# Altium PCB 1datalogger.PcbDoc
Units mil, origin at the board's own origin, x right, y up, seen from the top; angles counter-clockwise.
Board outline 2135 x 1715 mil, 2 copper layers (Top Layer, Bottom Layer); 34 components, 31 nets, 164 pads, 25 vias.
Unrouted connection lines stored in the file: 20.
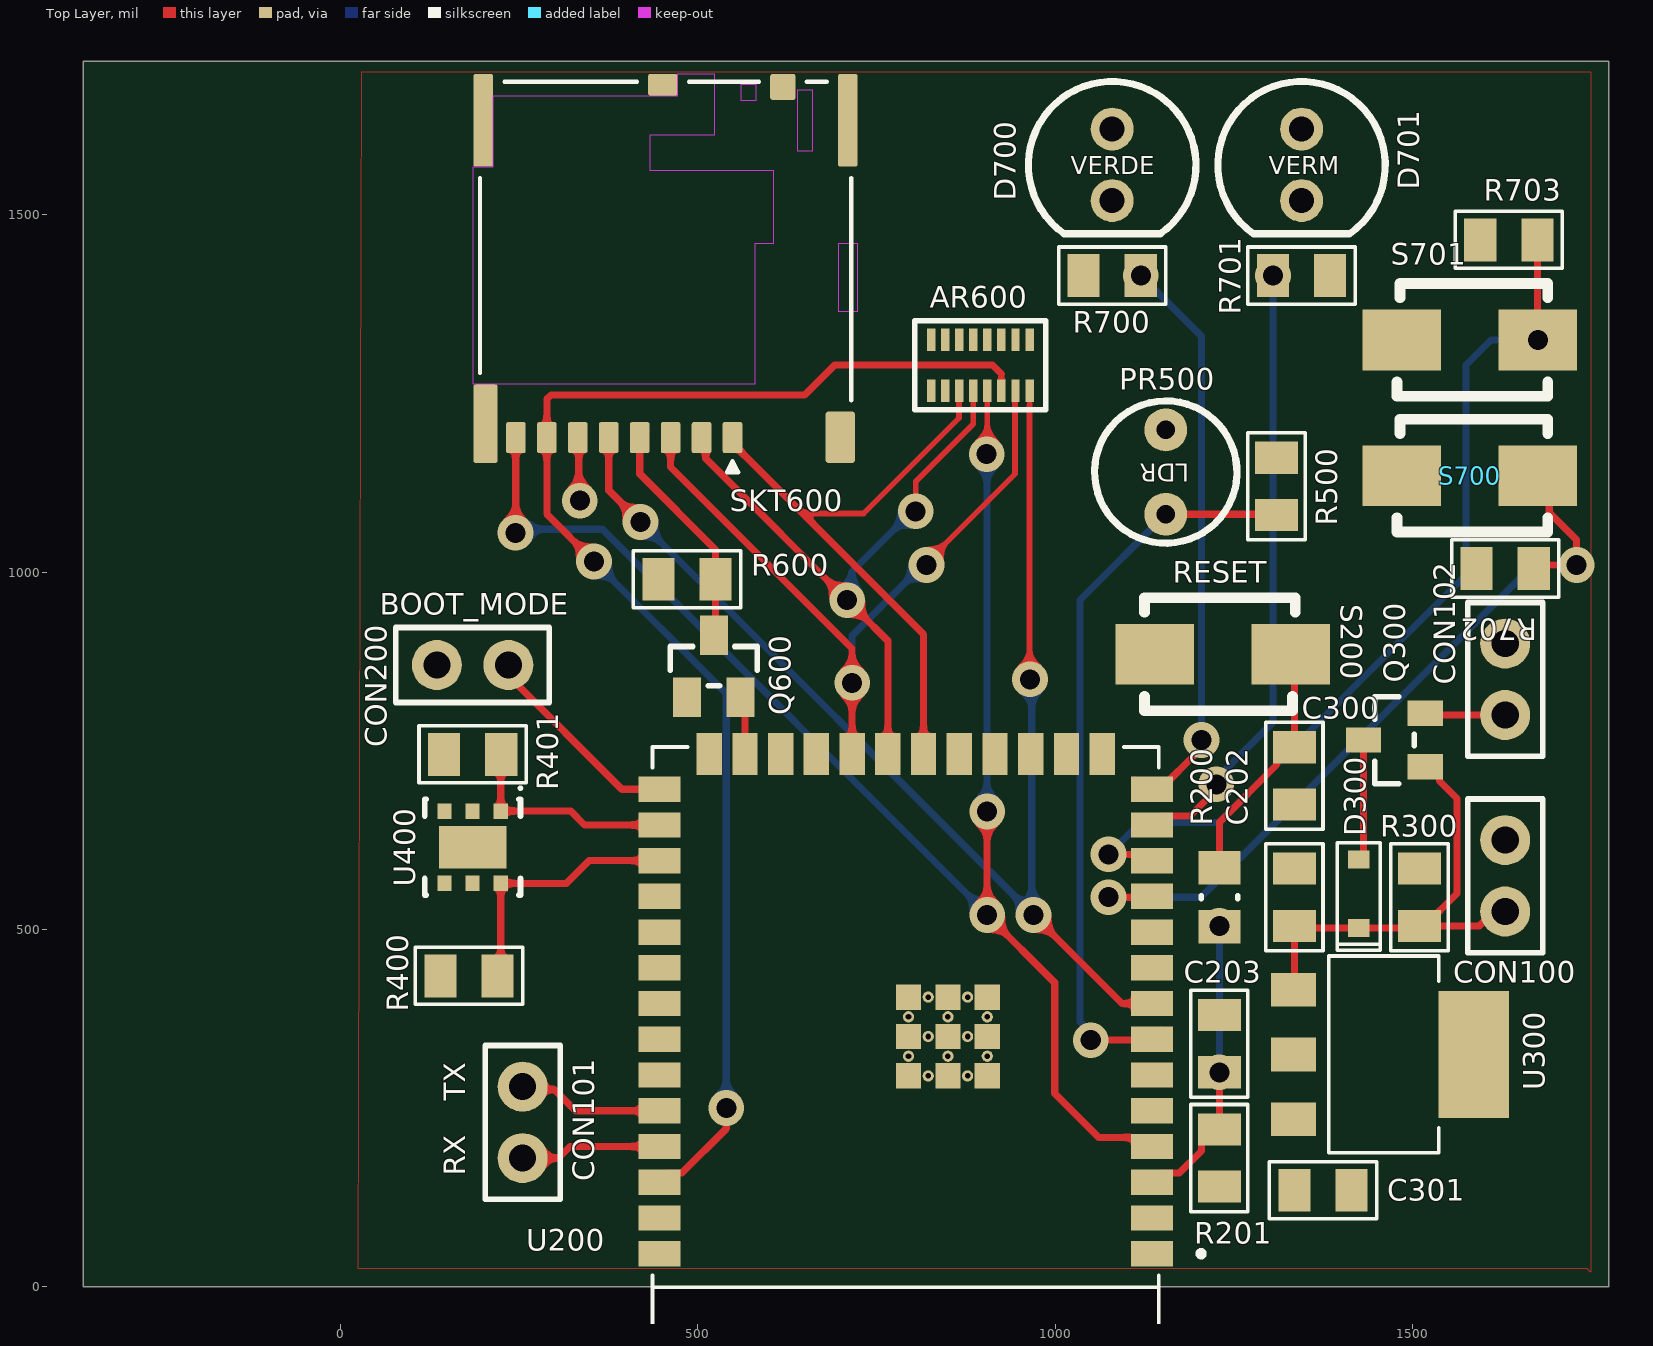
[diagram p0: Top Layer view]
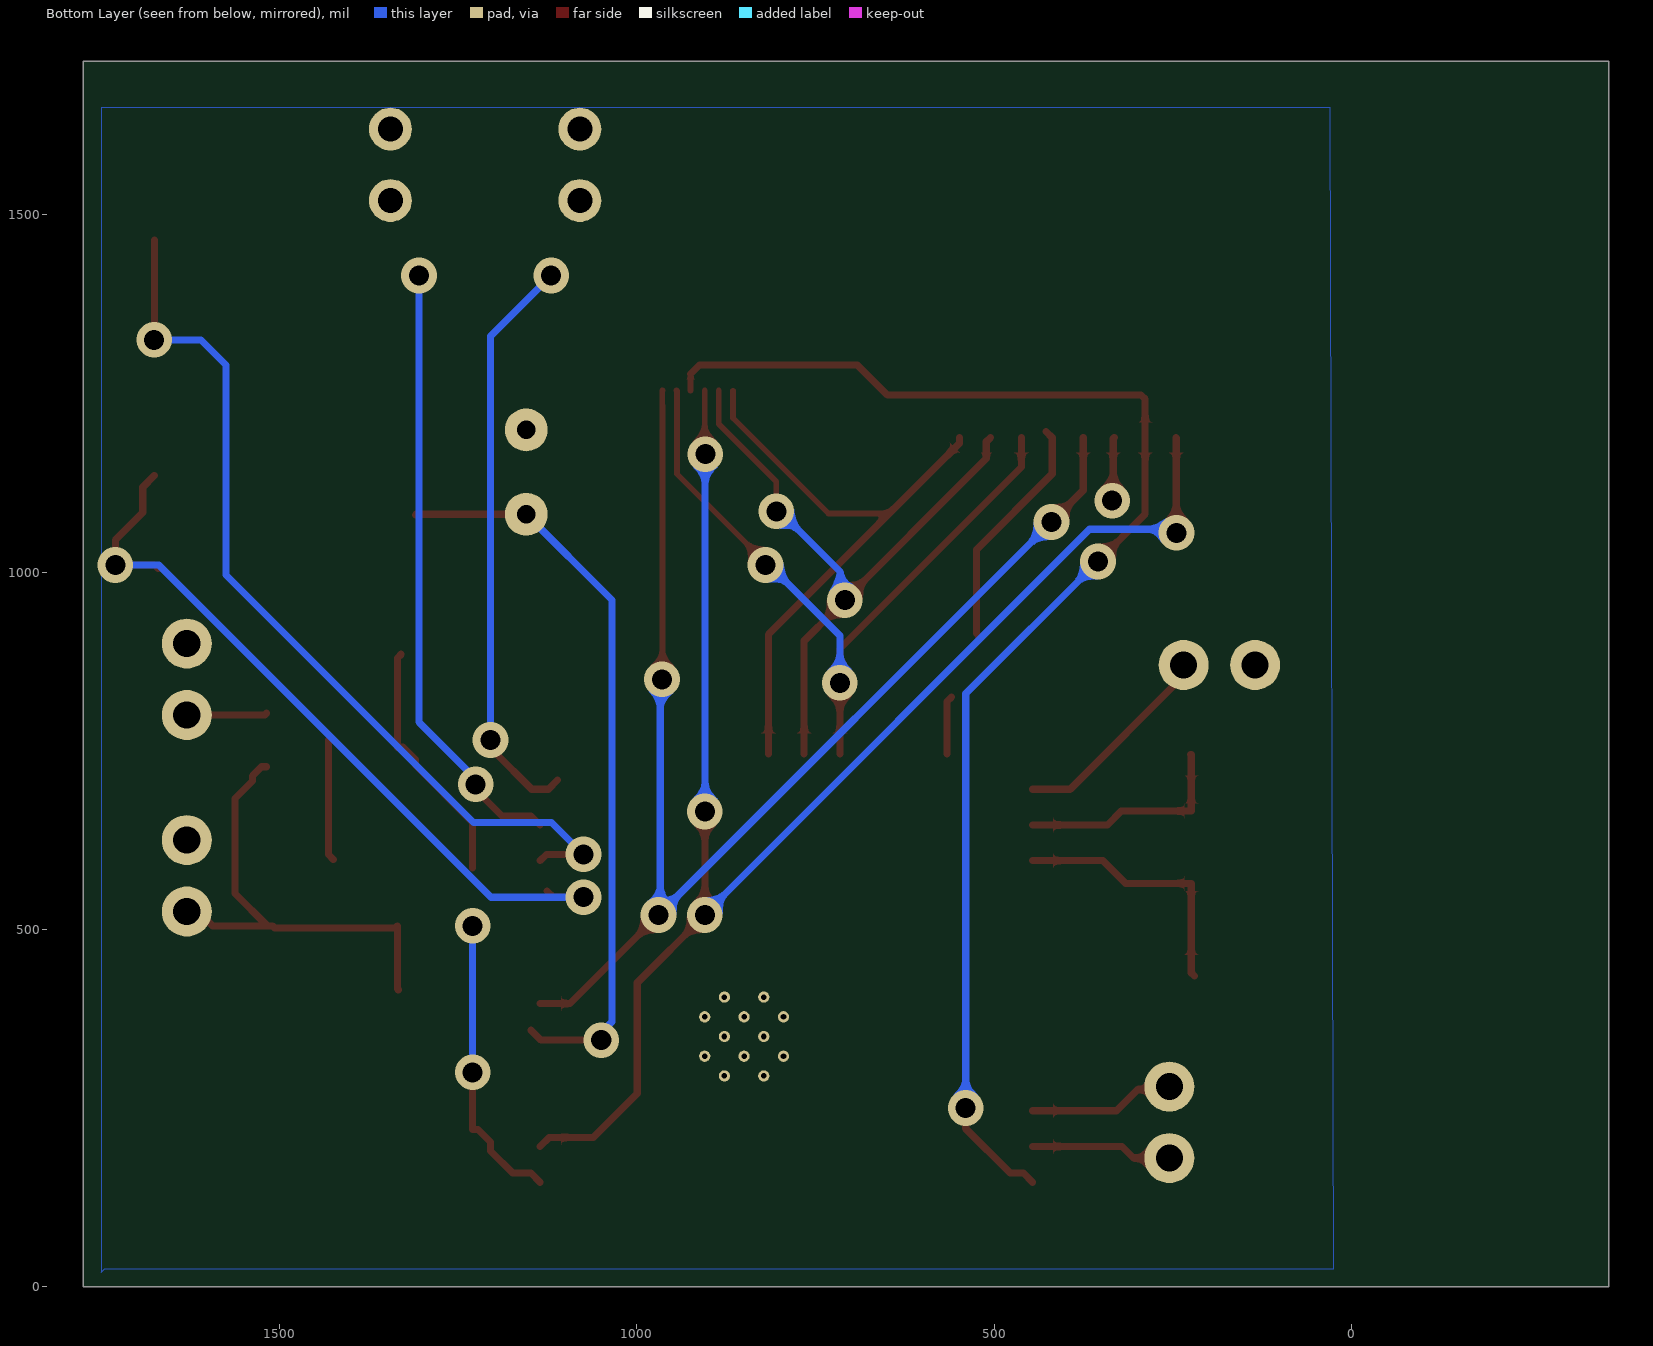
[diagram p1: Bottom Layer view, seen from below]
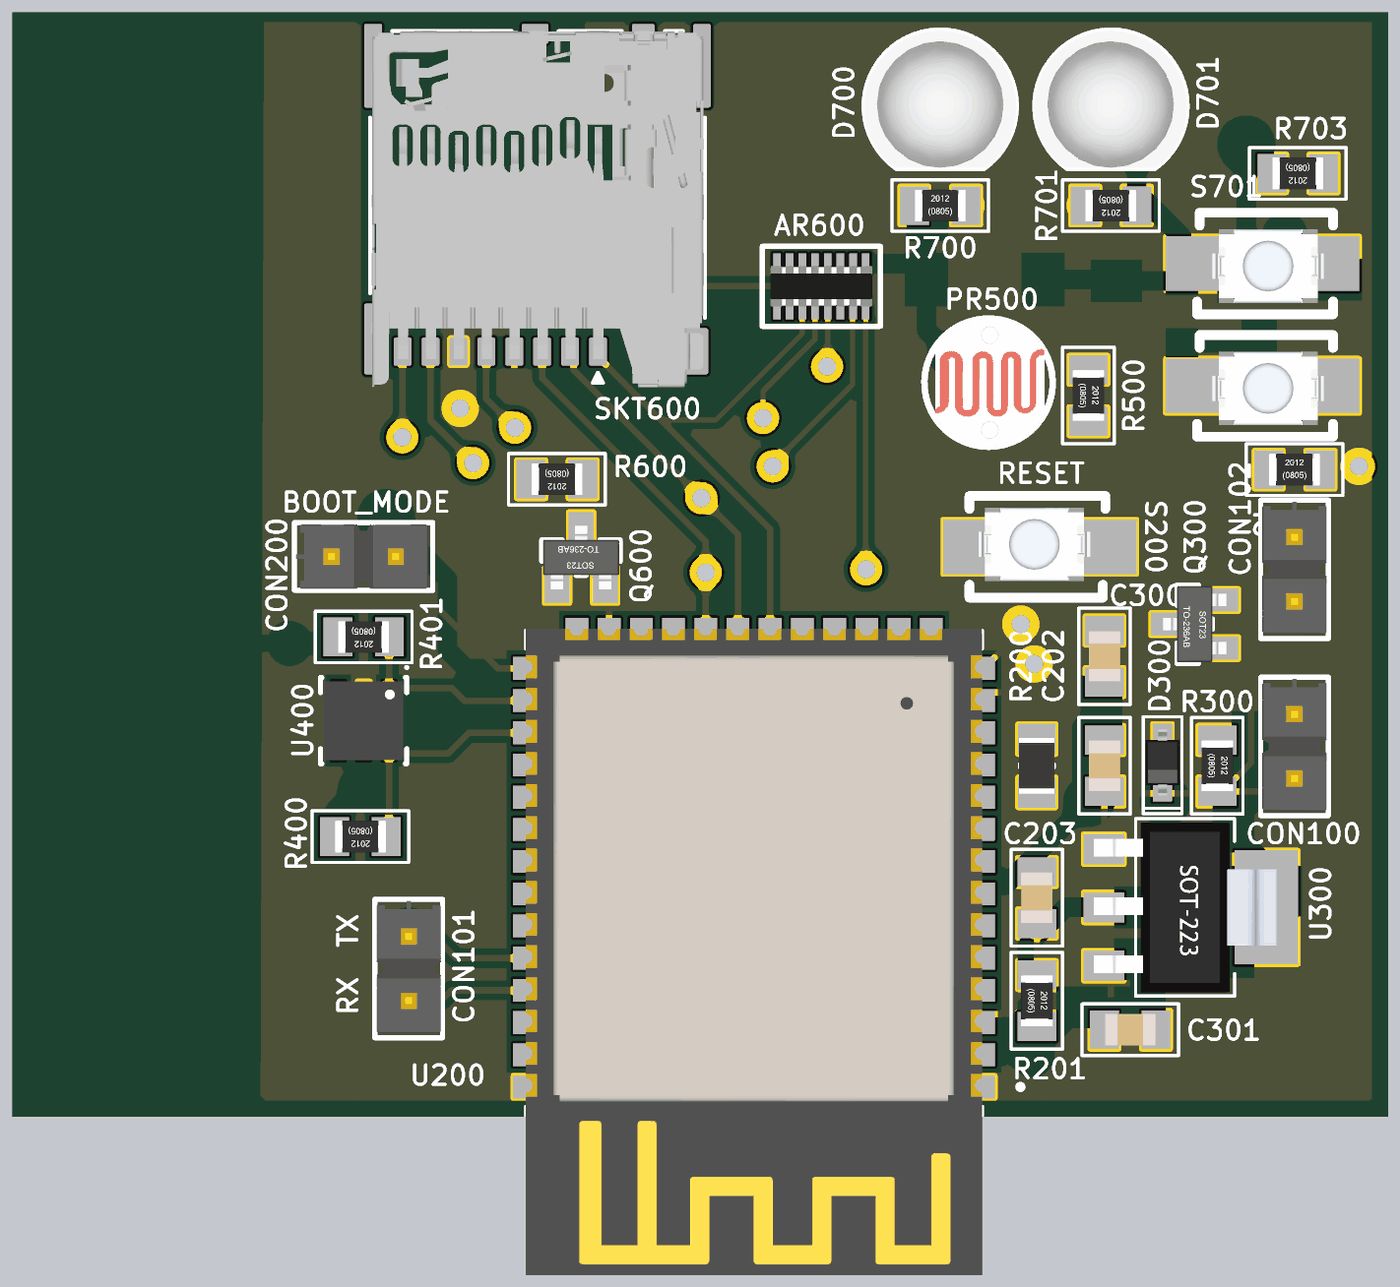
[diagram p2: 3D render of the assembled board from above, using the file's embedded part models]

## Layer stack, top to bottom
Top Solder: solder mask 0.4, Solder Resist, Dk 3.5
Top Layer: signal copper 1.4
Dielectric 1: dielectric 12.6, FR-4, Dk 4.8
Bottom Layer: signal copper 1.4
Bottom Solder: solder mask 0.4, Solder Resist, Dk 3.5

## Board outline
-360,0 -360,1715 1775,1715 1775,0

## Design rules (kind name [scope] priority, off if disabled: settings)
Clearance microsd_celarence [InComponent('SKT600')] p1: gap=5 ignorepadtopadclearanceinfootprint=TRUE except(0: SMDPad-Region THPad-Region)
Clearance array_celarence [InComponent('AR600')] p2: gap=5 ignorepadtopadclearanceinfootprint=TRUE
Clearance [All] p3: gap=10 ignorepadtopadclearanceinfootprint=TRUE
HoleSize [All] p1: absolutevalues=TRUE maxlimit=200 minlimit=1 maxpercent=80.000 minpercent=20.000
MinimumSolderMaskSliver microsd_minimum_solder [InComponent('SKT600')] p1: minsoldermaskwidth=2
MinimumSolderMaskSliver esp_minimum_solder [InComponent('U200')] p2: minsoldermaskwidth=2
MinimumSolderMaskSliver [All] p3: minsoldermaskwidth=2
PlaneClearance [All] p1: clearance=30
PolygonConnect [All] p1: connectstyle=Direct reliefconductorwidth=10 reliefentries=4 polygonreliefangle="90 Angle" airgapwidth=10
RoutingVias [All] p1: holewidth=28 width=50 viastyle="Through Hole" minholewidth=28 minwidth=50 maxholewidth=28 maxwidth=50
SilkToSilkClearance [All] p1: silktosilkclearance=1
SilkToSolderMaskClearance [IsPad] p1: minsilkscreentomaskgap=5 clearancetoexposedcopper=TRUE
SolderMaskExpansion [All] p1: expansion=4 istentingtop=FALSE
UnRoutedNet case_pilhas [not(InComponent('CON102') or InComponent('SW100'))] p1: checkbadconnections=TRUE
UnRoutedNet [All] p2:
Width [All] p1: maxlimit=20 minlimit=5 preferedwidth=10
24 further rules are at their usual default settings.

## Classes and differential pairs
component class Designator: D700 D701 R700 R701 R702 R703 S700 S701
component class temp_sensor: R400 R401 U400
component class micro_sd: AR600 Q600 R600 SKT600
component class ldr_sensor: PR500 R500
component class ESP32: C202 C203 C204 C205 CON200 R200 R201 S200 U200 X200
component class power_supply: C300 C301 D300 Q300 R300 U300
component class datalogger: CON100 CON101 CON102 SW100

## Components (designator, comment, footprint, x,y, rotation, side; value= is the part's Value field where it differs from the comment)
AR600 "10K" "Array 8Res 1606" 826.57,1254.13 r0 top
C202 "100nF 25V" CC2012-0805 1335,675 r90 top
C203 "100nF 25V" CC2012-0805 1230,380 r270 top
C300 "CAP CER 4.7UF 16V X7R 0805" CC2012-0805 1335,585 r270 top
C301 "CAP CER 4.7UF 16V X7R 0805" CC2012-0805 1415,135 r180 top
CON100 "PIN HEADER 2POS" FP-TSW-102-07-G-S-MFG 1630,575 r270 top
CON101 "PIN HEADER 2POS" FP-TSW-102-07-G-S-MFG 255,230 r270 top
CON102 "PIN HEADER 2POS" FP-TSW-102-07-G-S-MFG 1630,850 r270 top
CON200 "PIN HEADER 2POS" FP-TSW-102-07-G-S-MFG 185,870 r0 top
D300 "DIODE SCHOTTKY NSR0320MW2T1G 20V 1A SOD323 SMD" SOD-323 1425,550 r90 top
D700 "LED GRN DIFF 5MM ROUND T/H" LED-5mm-VERDE 1080,1620 r0 top
D701 "LED RED DIFF 5MM ROUND T/H" LED-5mm-VERMELHO 1345,1620 r0 top
PR500 "LDR GL5506(4-7K) SMD" "LDR 3X0.5" 1155,1140 r180 top
Q300 "IC MOSFET P_CHANNEL 500mA" SOT-23#1 1475,765 r90 top
Q600 "IC MOSFET N_CHANNEL 380mA" SOT-23#2 522.6,868.31 r0 top
R200 "Resistor 0R +/- 1% 0805 125 mW" RESC2013X50X35ML15T15 1230,545 r270 top value=0
R201 "RES 10K OHM 1% 1/8W 0805 SMD" CR2012-0805 1230,180 r270 top
R300 "10K 1/8W" CR2012-0805 1510,545 r270 top
R400 "RES 10K5 OHM 0.1% 1/8W 0805 SMD" CR2012-0805 180,435 r180 top
R401 "RES 10K5 OHM 0.1% 1/8W 0805 SMD" CR2012-0805 185,745 r180 top
R500 "RES 10K OHM 1% 1/8W 0805 SMD" CR2012-0805 1310,1120 r270 top
R600 "RES 100R 1/8W 1% 0805 SMD" CR2012-0805 485,990 r180 top
R700 "RES 220R OHM 5% 1/8W 0805 SMD" CR2012-0805 1080,1415 r0 top
R701 "RES 220R OHM 5% 1/8W 0805 SMD" CR2012-0805 1345,1415 r180 top
R702 "RES 1K OHM 1% 1/8W 0805 SMD" CR2012-0805 1630,1005 r0 top
R703 "RES 1K OHM 1% 1/8W 0805 SMD" CR2012-0805 1635,1465 r180 top
S200 "SWITCH TACTILE SPST-NO 0.05A 12V SMD" SWITCH_TACTILE_SMD_2PIN 1139.45,885 r0 top
S700 "SWITCH" SWITCH_TACTILE_SMD_2PIN 1675.55,1135 r180 top
S701 "SWITCH" SWITCH_TACTILE_SMD_2PIN 1675.55,1325 r180 top
SKT600 "5033981892" MOLX-5033981892_V 455,1435 r180 top
SW100 "4AAA_Battery" 4AAA_BATTERY_HOLDER 3915,4681.19 r90 top
U200 "IC ESP32 S3R2 WROOM-1 2MB" ESP32_S3_WROOM_1 795,377.68 r180 top
U300 "IC REG LDO 3V3 1A" SOT-223 1460,325 r270 top
U400 "IC HDC1080" PSON100P300X80_HS-7N 185,615 r270 top

## Footprints (in the part's own frame and the unit in brackets; to place one, negate y for a bottom-side part, rotate by r counter-clockwise, add the part's x,y. Pads: shape width x height; smd on the part's side, far side on the other; paste and mask are expansions set on the pad)
4AAA_BATTERY_HOLDER [mm]
  round 5 hole 3: 1(22.606,-5.842) 2(22.86,-12.954) ""(-0.127,-16.129) ""(0,28.702)
  body extent -185.32,-18.78 26.8,31.22, height 13.14
"Array 8Res 1606" [mm]
  rect 0.3x0.8 smd: 1(0,0) 2(0.5,0) 3(1,0) 4(1.5,0) 5(2,0) 6(2.5,0) 7(3,0) 8(3.5,0) 9(3.5,1.8) 10(3,1.8) 11(2.5,1.8) 12(2,1.8) 13(1.5,1.8) 14(1,1.8) 15(0.5,1.8) 16(0,1.8)
  silkscreen extent -0.58,-0.68 4.08,2.48, body extent -0.25,0.1 3.75,1.7, height 0.45
CC2012-0805 [mil] "Chip Capacitor"
  rect 45x60 smd: 1(0,0) 2(80,0)
  silkscreen extent -35,-40 115,40, body extent 1,-25 79,25, height 24
CR2012-0805 [mil] "Chip Capacitor"
  rect 45x60 smd: 1(-40,0) 2(40,0)
  silkscreen extent -75,-40 75,40, body extent -39,-25 39,25, height 18
ESP32_S3_WROOM_1 [mm] "Footprint for ESP32-S3-WROOM-1 module"
  rect 1.5x0.9 smd: 1(-8.65,8.42) 2(-8.65,7.15) 3(-8.65,5.88) 4(-8.65,4.61) 5(-8.65,3.34) 6(-8.65,2.07) 7(-8.65,0.8) 8(-8.65,-0.47) 9(-8.65,-1.74) 10(-8.65,-3.01) 11(-8.65,-4.28) 12(-8.65,-5.55) 13(-8.65,-6.82) 14(-8.65,-8.09) 27(8.85,-8.09) 28(8.85,-6.82) 29(8.85,-5.55) 30(8.85,-4.28) 31(8.85,-3.01) 32(8.85,-1.74) 33(8.85,-0.47) 34(8.85,0.8) 35(8.85,2.07) 36(8.85,3.34) 37(8.85,4.61) 38(8.85,5.88) 39(8.85,7.15) 40(8.85,8.42)
  rect 0.9x1.5 smd: 15(-6.885,-9.34) 16(-5.615,-9.34) 17(-4.345,-9.34) 18(-3.075,-9.34) 19(-1.805,-9.34) 20(-0.535,-9.34) 21(0.735,-9.34) 22(2.005,-9.34) 23(3.275,-9.34) 24(4.545,-9.34) 25(5.815,-9.34) 26(7.085,-9.34)
  rect 0.9x0.9 smd: 41[1...9](-2.8,2.1) 41[1...9](-2.8,-0.7) 41[1...9](-2.8,0.7) 41[1...9](-1.4,2.1) 41[1...9](-1.4,-0.7) 41[1...9](-1.4,0.7) 41[1...9](0,2.1) 41[1...9](0,0.7) 41[1...9](0,-0.7)
  round 0.4 hole 0.2 mask+0: 41[1...9](-2.8,0) 41[1...9](-2.8,1.4) 41[1...9](-2.1,2.1) 41[1...9](-2.1,-0.7) 41[1...9](-2.1,0.7) 41[1...9](-1.4,1.4) 41[1...9](-1.4,0) 41[1...9](-0.7,2.1) 41[1...9](-0.7,0.7) 41[1...9](-0.7,-0.7) 41[1...9](0,1.4) 41[1...9](0,0)
  silkscreen extent -10.5,-9.59 9.1,15.88, body extent -8.89,-9.65 9.11,15.85, height 3.1
FP-TSW-102-07-G-S-MFG [mil]
  round 70 hole 38 paste-39370.1 mask+0: 1(-50,0) 2(50,0)
  silkscreen extent -107,-53 107,53, body extent -111,-56 111,56, height 10
"LDR 3X0.5" [mil]
  round 60 hole 25.98: 1(0,-59.06) 2(0,59.06)
  silkscreen extent -100,-100 100,100, body extent -87,-100 83,100, height 358
LED-5mm-VERDE [mil]
  round 60 hole 35: A(0,0) K(0,-100)
  silkscreen extent -117,-147 117,67, body extent -118,-147 119,67, height 485
LED-5mm-VERMELHO [mil]
  round 60 hole 35: A(0,0) K(0,-100)
  silkscreen extent -117,-147 117,67, body extent -119,-147 118,67, height 485
MOLX-5033981892_V [mm] "CONN, 8-Leads, Body 14.05x13.2mm, Pitch 1.1mm"
  rrect20% 0.7x1.1 smd: 1(-2.38,6.27) 2(-1.28,6.27) 3(-0.18,6.27) 4(0.92,6.27) 5(2.02,6.27) 6(3.12,6.27) 7(4.22,6.27) 8(5.32,6.27)
  rrect20% 1.05x0.78 smd: 9(0.095,-6.27)
  rrect20% 0.9x0.93 smd: 10(-4.17,-6.195)
  rrect20% 0.86x2.8 smd: 11(6.4,5.77)
  rrect20% 0.7x3.3 smd: 12(6.48,-5.01)
  rrect25% 0.7x3.3 smd: 13(-6.48,-5.01)
  rrect20% 1.04x1.83 smd: 14(-6.21,6.255)
  Top Layer keep-out region: -6.83,-0.63 -6.13,-0.63 -6.13,1.77 -6.83,1.77
  Top Layer keep-out region: -5.235,-6.08 -4.685,-6.08 -4.685,-3.93 -5.235,-3.93
  Top Layer keep-out region: -3.22,-6.28 -2.67,-6.28 -2.67,-5.73 -3.22,-5.73
  Top Layer keep-out region: 6.83,4.37 6.83,-3.36 6.13,-3.36 6.13,-5.88 -0.43,-5.88 -0.43,-6.66 -1.73,-6.66 -1.73,-4.48 0.57,-4.48 0.57,-3.23 -3.82,-3.23 -3.82,-0.63 -3.17,-0.63 -3.17,4.37
  silkscreen extent -6.6,-6.38 6.6,7.5, body extent -6.55,-6.38 6.55,7.67, height 1.28
PSON100P300X80_HS-7N [mm] "PSON, 6-Leads, Body 3,00x3,00mm, Pitch 1,00mm, Thermal Pad 2,40x1,50mm, IPC Medium Density"
  rect 0.55x0.5 smd: 1(-1.285,1) 2(-1.285,0) 3(-1.285,-1) 4(1.285,-1) 5(1.285,0) 6(1.285,1)
  rect 1.5x2.4 smd: 7(0,0)
  silkscreen extent -2.15,-1.7 1.7,1.75, body extent -1.55,-1.55 1.55,1.55, height 0.8
RESC2013X50X35ML15T15 [mm] "Chip Resistor, 2-Leads, Body 2.2x1.4mm, IPC Low Density"
  rect 1.2x1.5 smd: 1(-1.05,0) 2(1.05,0)
  silkscreen extent -0.05,-0.65 0.05,0.65, body extent -1.1,-0.7 1.1,0.7, height 0.5
SOD-323 [mil]
  rect 25x30 smd: A(48,0) K(-48,0)
  silkscreen extent -79,-30 71,30, body extent -51,-27 51,27, height 44
SOT-23#1 [mm]
  rect 0.9x1.26 smd: 1(-0.95,-1.1) 2(0.95,-1.1) 3(0,1.1)
  silkscreen extent -1.55,-0.7 1.54,0.7, body extent -1.5,-1.25 1.5,1.25, height 1.09
SOT-23#2 [mm]
  rect 1x1.4 smd: 1(-0.95,-1.1) 2(0.95,-1.1) 3(0,1.1)
  silkscreen extent -1.55,-0.7 1.54,0.7, body extent -1.5,-1.25 1.5,1.25, height 1.09
SOT-223 [mm]
  rect 1.2x1.6 smd: 1(-2.3,-3.2) 2(0,-3.2) 3(2.3,-3.2)
  rect 4.5x2.5 smd: 2(0,3.2)
  silkscreen extent -3.5,-1.95 3.5,1.95, body extent -3.35,-3.6 3.35,3.6, height 1.9
SWITCH_TACTILE_SMD_2PIN [mm]
  rect 2.795x2.16 smd: 1(0,0) 2(4.84,0)
  silkscreen extent -0.36,-2.01 5,2.01, body extent 0,-1.35 4.4,1.55, height 2.5

## Part data
AR600: library part CMP-013-000009-1, "RES ARRAY 8 RES 10K OHM 1606", Manufacturer="Rohm Semiconductor", Manufacturer Part Number=MNR18ERAPJ103, Number of Resistors=8, Operating Temperature="-55°C ~ 125°C", Package / Case="1606, Convex, Long Side Terminals", Power Per Element=62.5mW, Resistance (Ohms)=10k, Supplier Device Package=-, Temperature Coefficient=±250ppm/°C, Tolerance=±5%, Applications=-, Category=Resistors, Circuit Type=Isolated, ComponentLink1Description=http://rohmfs.rohm.com/en/products/databook/datasheet/passive/resistor/chip_resistor_network/mnr_g.pdf, ComponentLink1URL=http://rohmfs.rohm.com/en/products/databook/datasheet/passive/resistor/chip_resistor_network/mnr_g.pdf, Design Item ID="RES ARRAY 8 RES 10K OHM 1606 SMD", Height - Seated (Max)="0.020\" (0.50mm)", Mounting Type="Surface Mount", Number of Pins=16, Packaging="Cut Tape (CT)", Part Status=Active, Pricing 1="1=0.11, 10=0.1, 25=0.0692, 50=0.054, 100=0.0385, 250=0.03004, 500=0.02388, 1000=0.01694 (USD)", RoHS="RoHS Compliant", Size / Dimension="0.157\" L x 0.063\" W (4.00mm x 1.60mm)", Source=mits.SchLib, Stock 1=10849
C202 C203: library part "CAP CER 0.1uF 25V 0805 SMD", "Cap Ceramic 0.1uF 25V X7R 10% SMD 0805 125C Plastic T/R", Capacitance=100nF, Case Code (Imperial)=0805, Case Code (Metric)=2012, Dielectric=X7R, Dielectric Material=Ceramic, Manufacturer=KEMET, Manufacturer Part Number=C0805C104K3RACTU, Max Operating Temperature=125°C, Min Operating Temperature=-55°C, Package Quantity=4000, Supplier Part Number 1=6480979, Tolerance=10%, Voltage=25V, Case/Package=0805, Category="Ceramic Capacitors", ComponentLink1Description=https://datasheet.ciiva.com/18193/getdatasheetpartid-385649-18193413.pdf?src-supplier=Verical, ComponentLink1URL=https://datasheet.ciiva.com/18193/getdatasheetpartid-385649-18193413.pdf?src-supplier=Verical, ComponentLink2Description=https://datasheet.ciiva.com/7842/kem-c1002-x7r-smd-7842536.pdf?src-supplier=Element14, ComponentLink2URL=https://datasheet.ciiva.com/7842/kem-c1002-x7r-smd-7842536.pdf?src-supplier=Element14, ComponentLink3Description=https://datasheet.ciiva.com/7842/kem-c1002-x7r-smd-7842538.pdf?src-supplier=Element14, ComponentLink3URL=https://datasheet.ciiva.com/7842/kem-c1002-x7r-smd-7842538.pdf?src-supplier=Element14, Construction=Flat, Contact Plating=Tin,Matte, Depth=1.25mm, Height=0.9mm, Lead Pitch=0.75mm, Length=2mm, Mount="PCB,Surface Mount", Packaging="Tape and Reel", Pricing 1="10=0,13300, 100=0,12200, 250=0,11000, 500=0,09400, 1000=0,08300 (USD)", Radiation Hardening=No, RoHS=Yes, RoHS Compliant=Yes, Series=C0805C, Stock 1=1910, Supplier 1=RSComponents, Termination=SMD/SMT, Voltage Rating=25V, Voltage Rating (DC)=25V, Width=1.2mm
C300 C301: library part CMP-004-000075-2, Capacitance=4.7uF, Case Code (Imperial)=0805, Case Code (Metric)=2012, Dielectric=X7R, Manufacturer 1="FH(Guangdong Fenghua Advanced Tech)", Manufacturer Part Number 1=0805F475M160NT, Max Operating Temperature=125°C, Min Operating Temperature=-55°C, Package Quantity=1, Ratings=AEC-Q200, Resistor Type=Ceramic, Tolerance=10%, Voltage Rating=16V, Case/Package=0805, Depth=1.25mm, Design Item ID="CAP CER 4.7uF 16V 20% Y5V 0805 SMD", Height=1.25mm, Lead Free="Lead Free", Length=2mm, Mount="Surface Mount", Packaging="Tape and Reel", Radiation Hardening=No, REACH SVHC="No SVHC", RoHS Compliant=Yes, Series=CGA, Source=mits.SchLib, Supplier Unit Price 1=0,0214, Termination=SMD/SMT, Thickness=0.057inch, Voltage Rating (DC)=16V, Weight=0.000194oz, Width=0.049inch
CON100 CON101 CON102 CON200: library part CMP-002-00076-1, "Conn Unshrouded Header HDR 2 POS 2.54mm Solder ST Top Entry Thru-Hole Bulk", Color=Black, Manufacturer Part Number=TSW-102-07-G-S, Max Current Rating=7.6A, Max Operating Temperature=125°C, Max Voltage Rating (AC)=550V, Min Operating Temperature=-55°C, Package Quantity=1, Connector Type="Male Pin", Contact Material=Bronze, Contact Mating Length=0.23inch, Contact Plating=Gold, Contact Type="Male Pin", Depth=2.54mm, Gender=Male, Housing Color=Black, Housing Material=Polyester, Lead Free="Lead Free", Length=5.08mm, Mount="Through Hole", Number of Contacts=2, Number of Positions=2, Number of Rows=1, Orientation=Straight, Packaging=Bulk, Pitch=2.54mm, REACH SVHC="No SVHC", RoHS Compliant=Yes, Series=TSW, Termination=Solder
D300: library part CMP-008-000014-1, "DIODE SCHOTTKY 20V 1A SOD323", Capacitance @ Vr, F="29pF @ 5V, 1MHz", Current - Average Rectified (Io)="1A (DC)", Current - Reverse Leakage @ Vr="50µA @ 15V", Manufacturer="ON Semiconductor", Manufacturer Part Number=NSR0320MW2T1G, Operating Temperature - Junction="-55°C ~ 125°C", Package / Case="SC-76, SOD-323", Supplier Device Package=SOD-323, Voltage - DC Reverse (Vr) (Max)=20V, Voltage - Forward (Vf) (Max) @ If="500mV @ 900mA", Category="Discrete Semiconductor Products", ComponentLink1Description=http://www.onsemi.com/pub_link/Collateral/NSR0320MW2T1-D.PDF, ComponentLink1URL=http://www.onsemi.com/pub_link/Collateral/NSR0320MW2T1-D.PDF, Design Item ID="DIODE SCHOTTKY NSR0320MW2T1G 20V 1A SOD323 SMD", Diode Type=Schottky, Mounting Type="Surface Mount", Packaging="Cut Tape (CT)", Part Status=Active, Pricing 1="1=0.4, 10=0.298, 100=0.1689, 500=0.11188, 1000=0.08577 (USD)", Reverse Recovery Time (trr)=-, RoHS="RoHS Compliant", Source=mits.SchLib, Speed="Fast Recovery =< 500ns, > 200mA (Io)", Stock 1=617